# Altium PCB DesignProject_V1_0.PcbDoc (part 1 of 2)
Units mm, origin at the board's own origin, x right, y up, seen from the top; angles counter-clockwise.
Board outline 86.3 x 50.27 mm, 4 copper layers (Top Layer, MID 1, MID 2, Bottom Layer), stack 0.651 mm thick; 110 components, 93 nets, 452 pads, 182 vias.
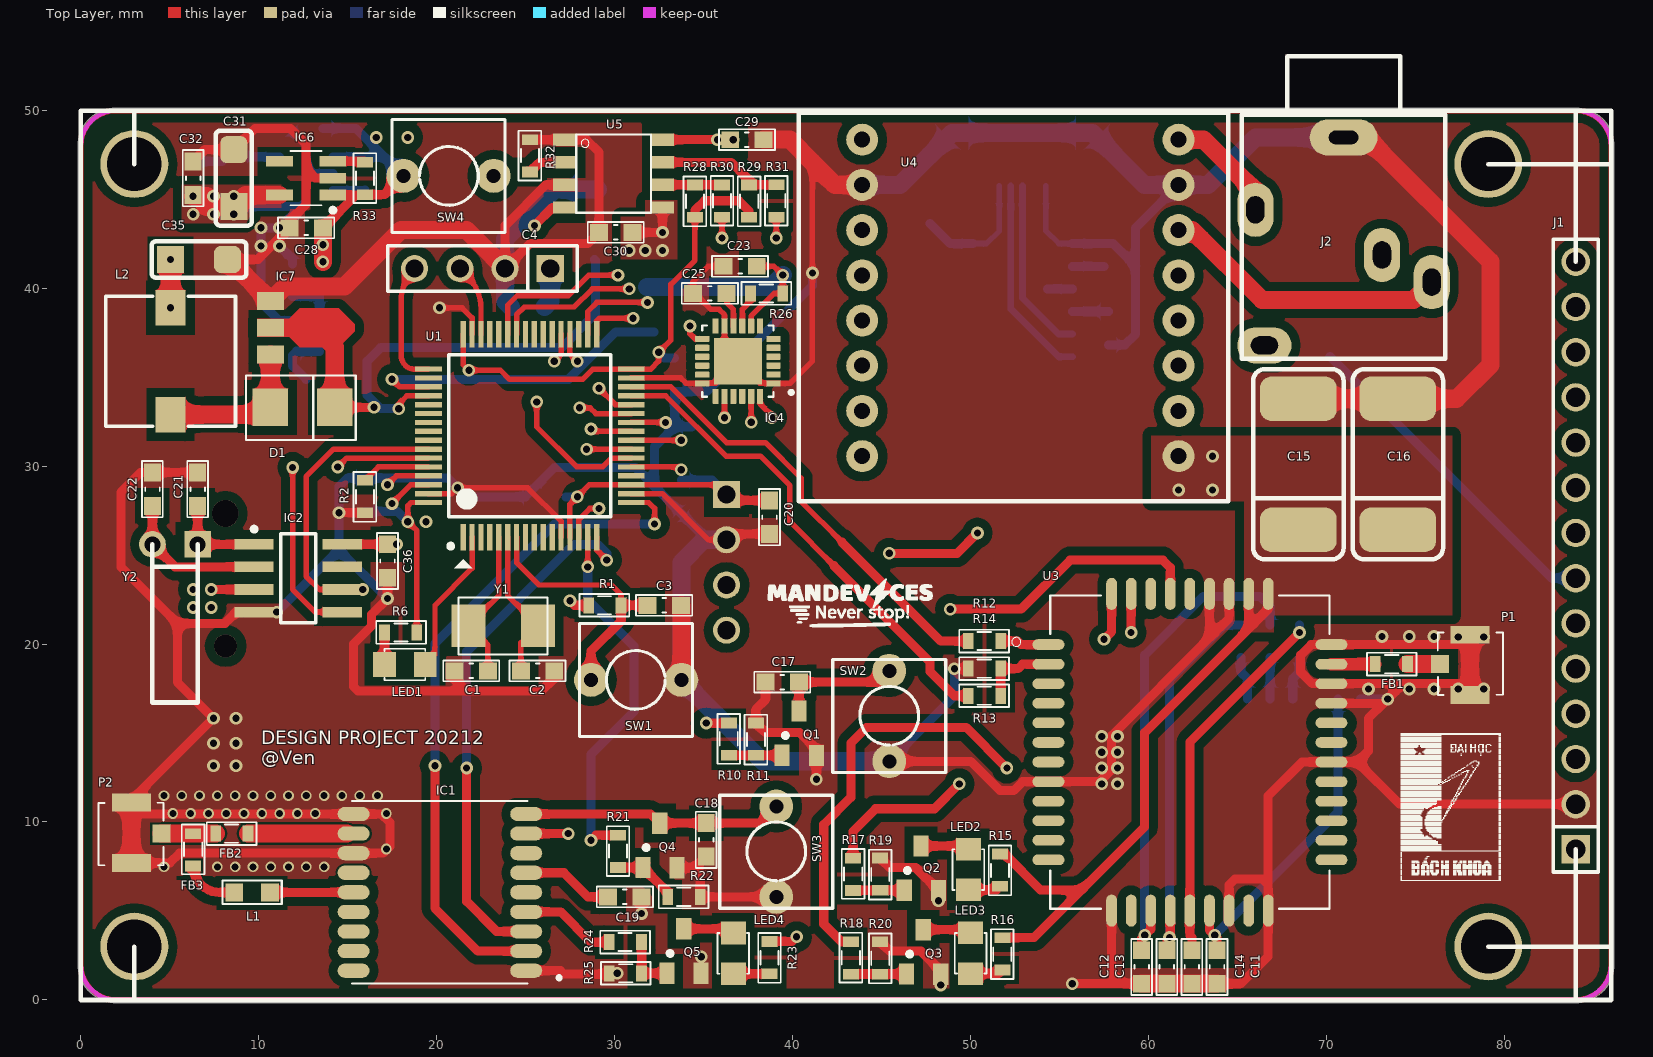
[diagram p0: Top Layer view]
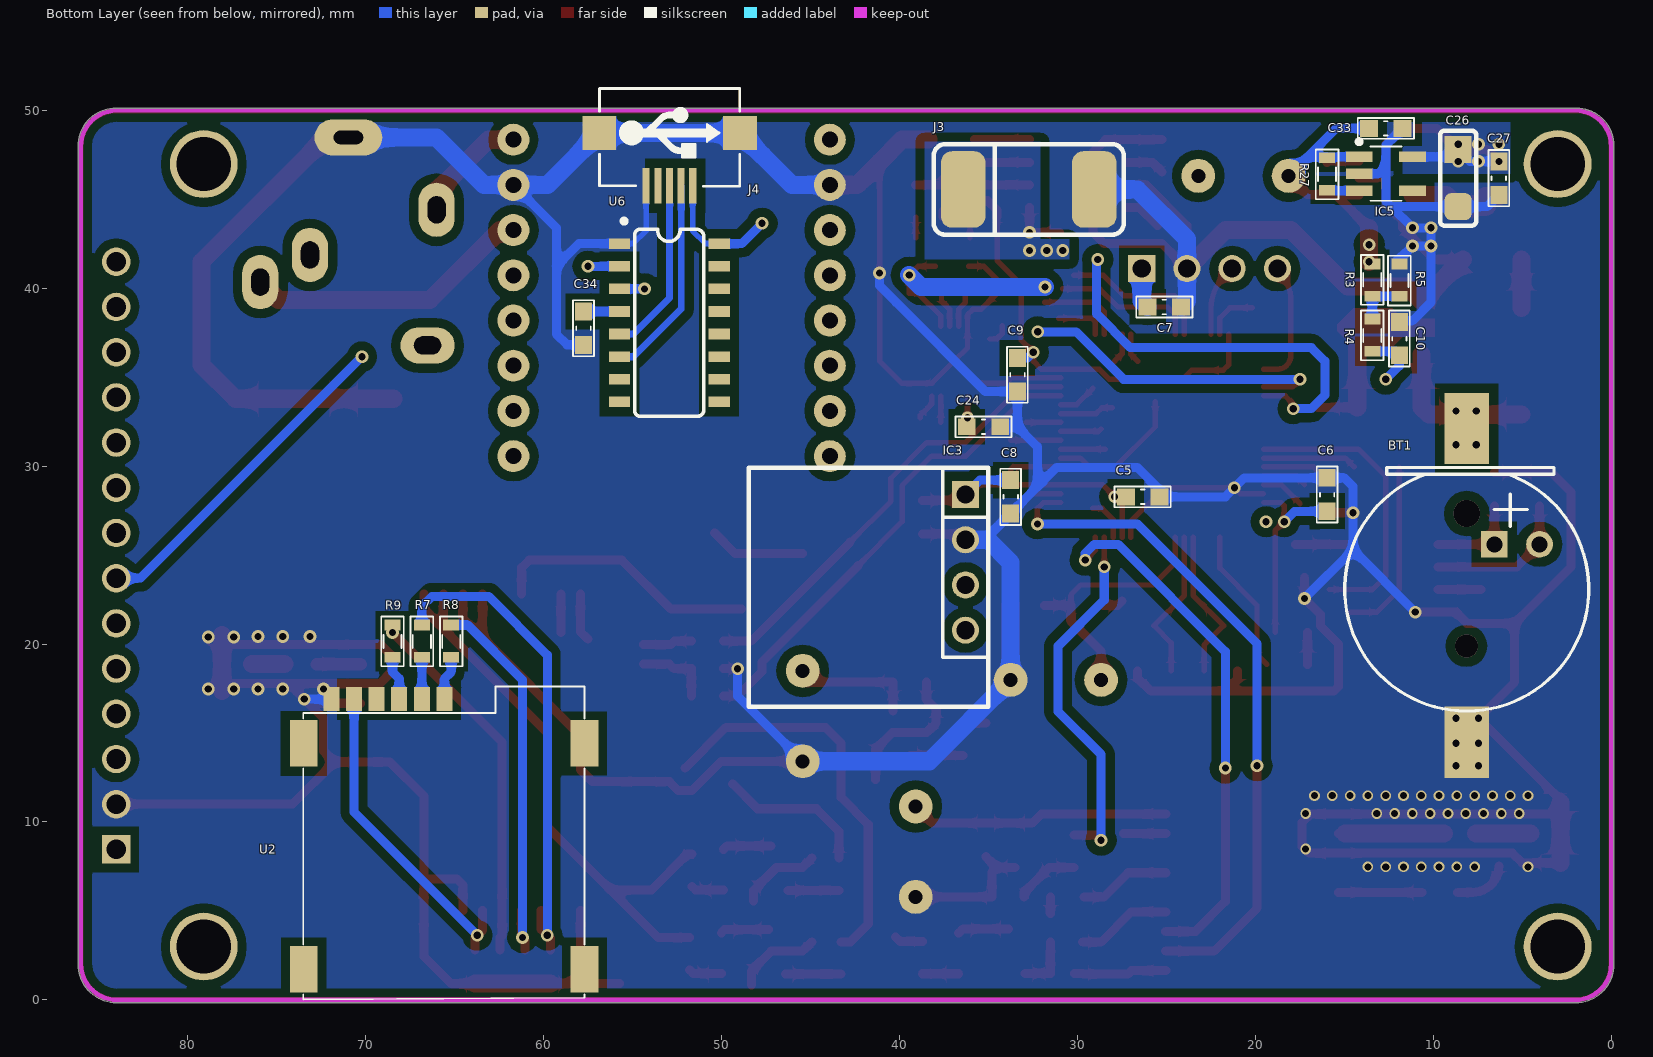
[diagram p1: Bottom Layer view, seen from below]
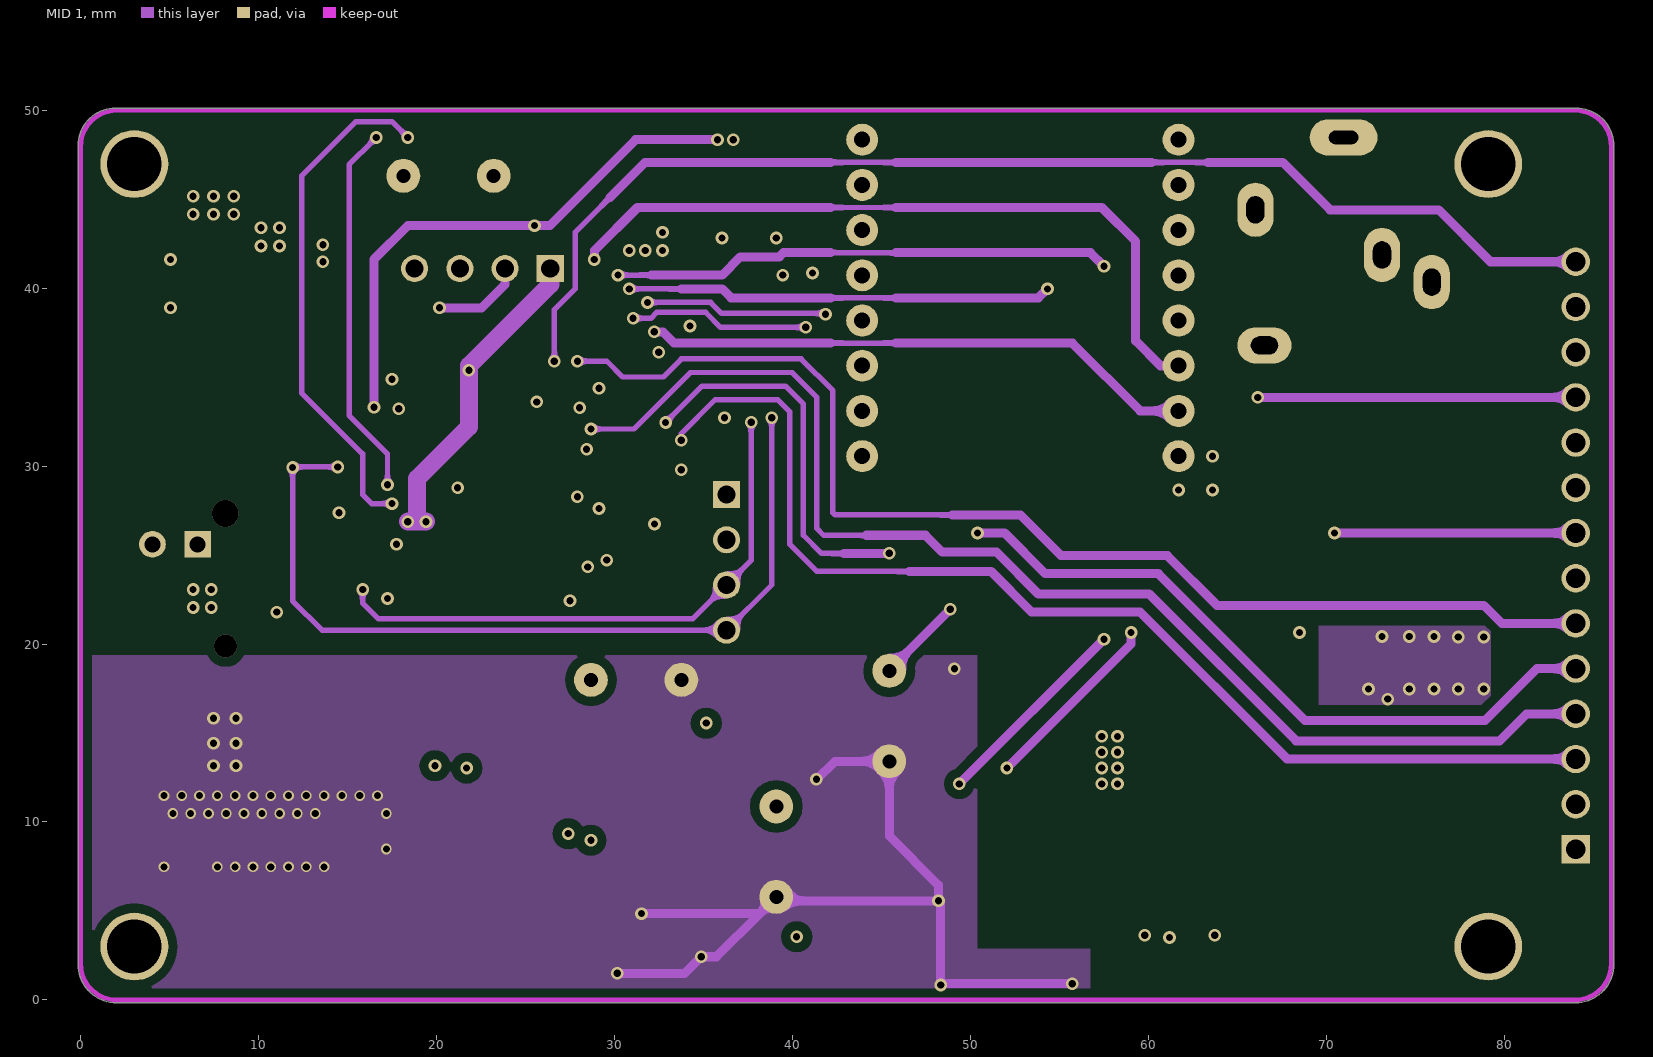
[diagram p2: MID 1]
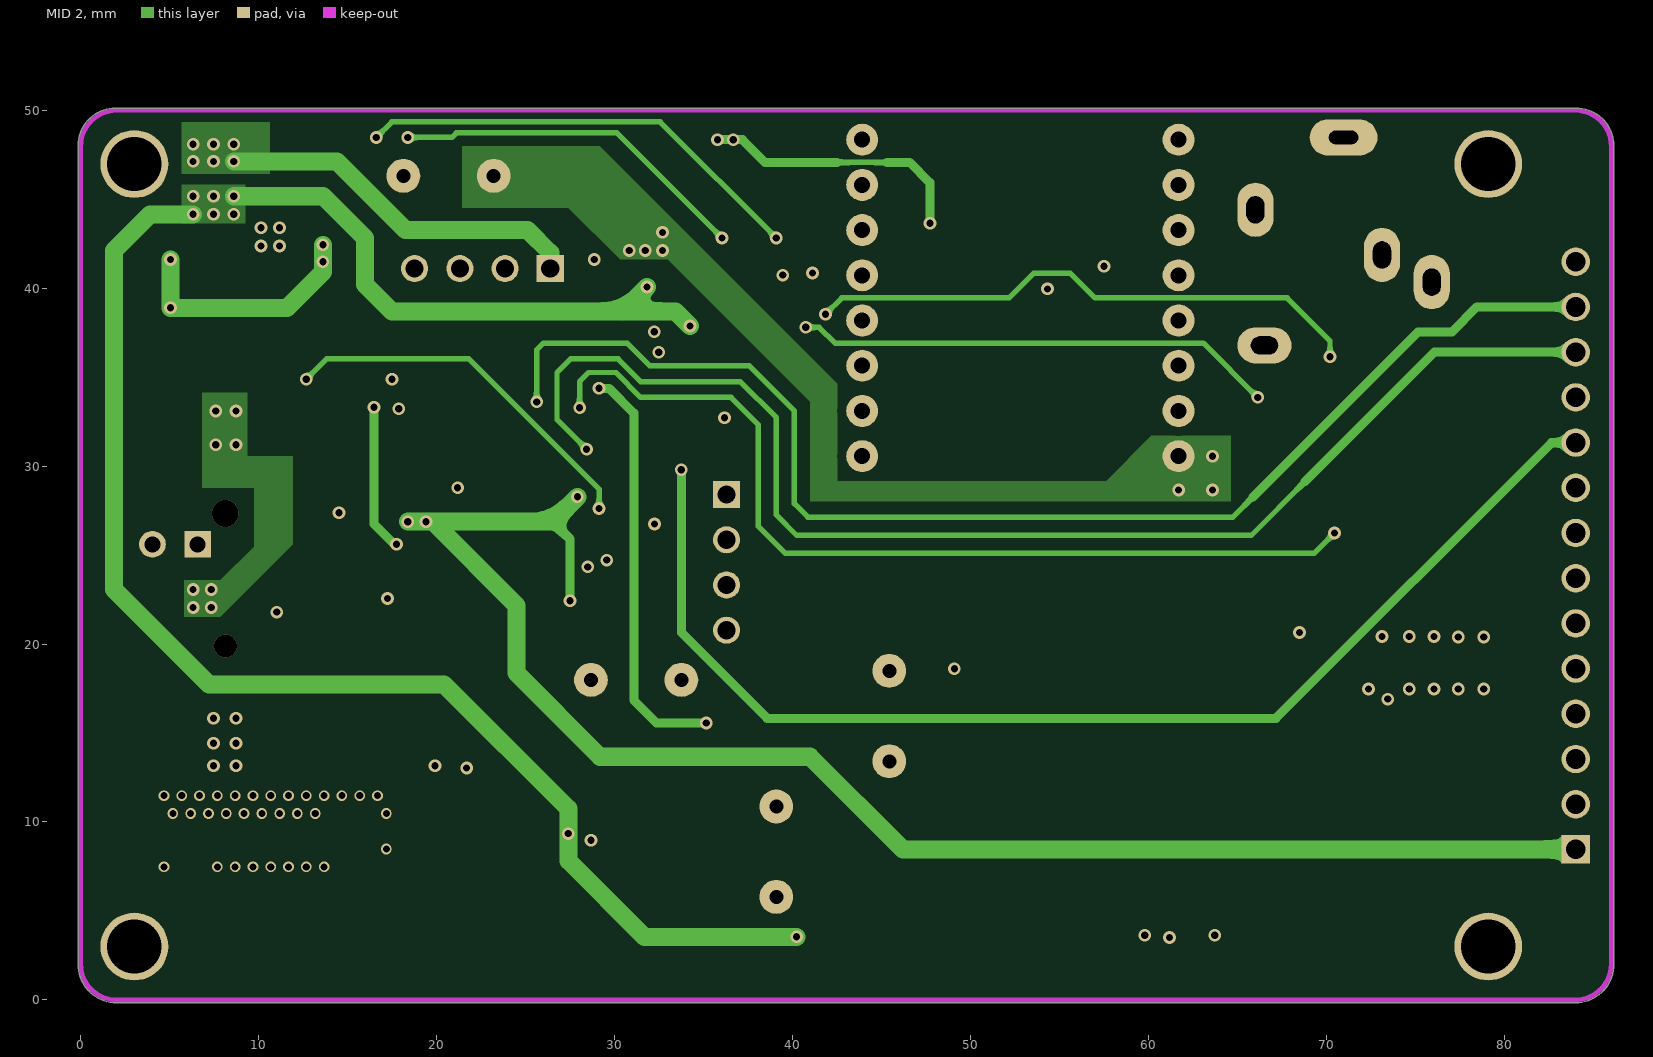
[diagram p3: MID 2]
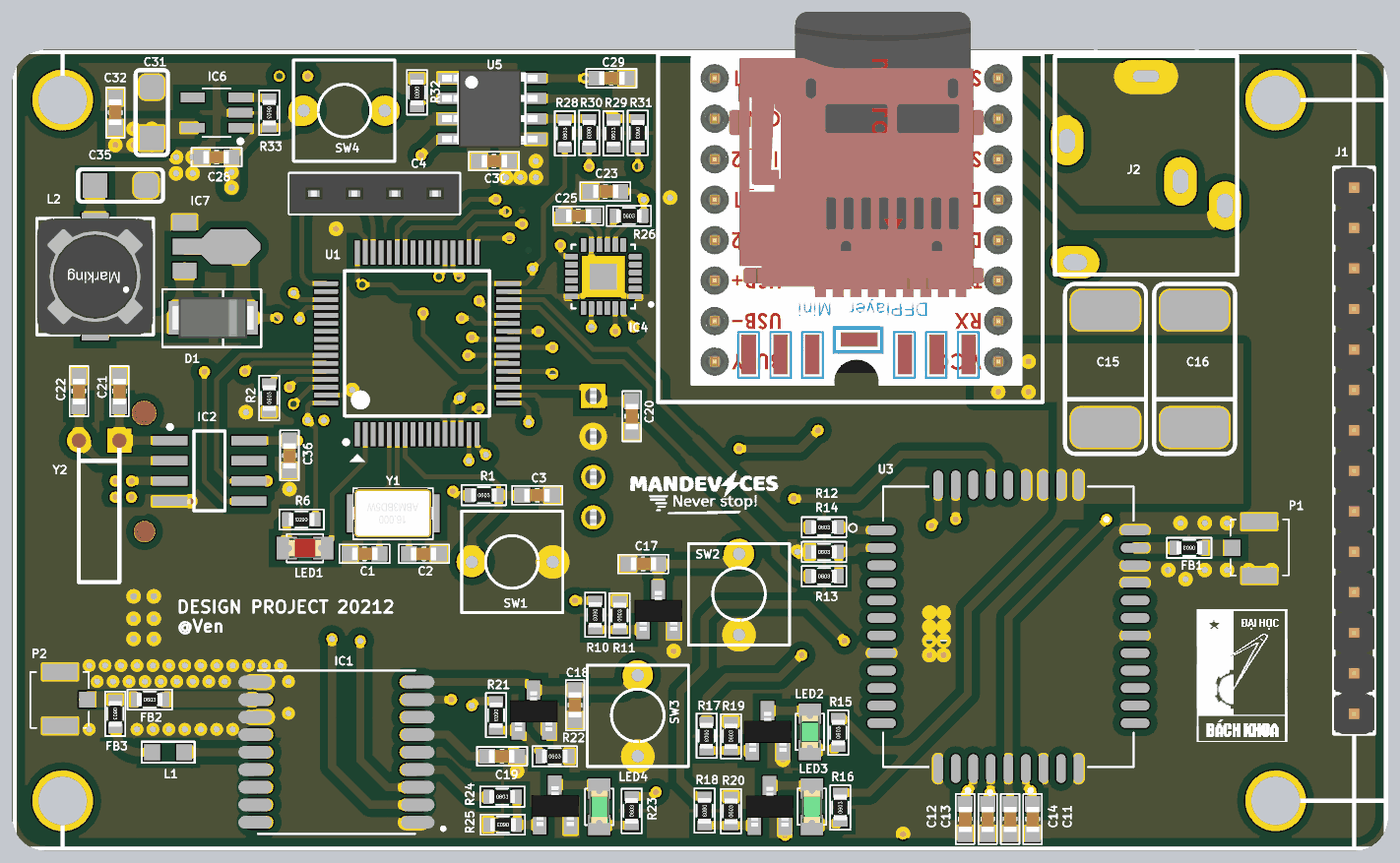
[diagram p5: 3D render of the assembled board from above, using the file's embedded part models]
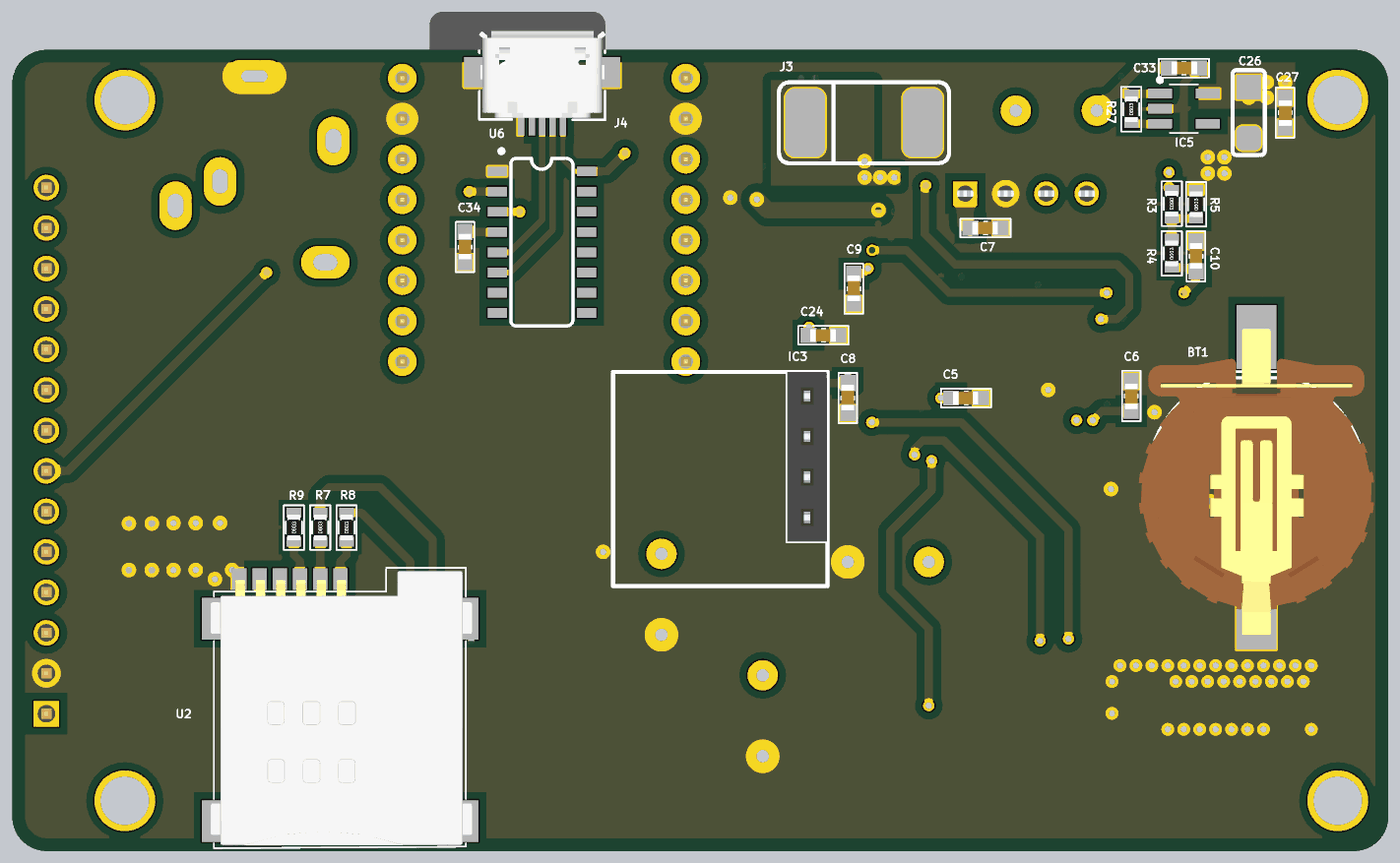
[diagram p6: 3D render of the assembled board from below, using the file's embedded part models]

## Layer stack, top to bottom
Top Solder: solder mask 0.0102, Solder Resist, Dk 3.5
Top Layer: signal copper 0.0356
Dielectric 1: prepreg 0.127, FR-4, Dk 4.2
MID 1: signal copper 0.036
Dielectric 3: core 0.254, FR-4, Dk 4.2
MID 2: signal copper 0.036
Dielectric 2: prepreg 0.127, FR-4, Dk 4.2
Bottom Layer: signal copper 0.0356
Bottom Solder: solder mask 0.0102, Solder Resist, Dk 3.5

## Board outline
-0.14,1.994 -0.14,48.006 cw(c1.968,48.006) 1.968,50.115 84.023,50.115 cw(c84.023,47.981) 86.157,47.981 86.157,2.007 cw(c83.998,2.007) 83.998,-0.153 2.007,-0.153 cw(c2.007,1.994)

## Design rules (kind name [scope] priority, off if disabled: settings)
Clearance Antena [InNamedPolygon('GND_L01_P030')] p1: gap=0.12 ignorepadtopadclearanceinfootprint=TRUE except(0: Arc-Text Arc-Hole Track-Text Track-Hole SMDPad-Text SMDPad-Hole THPad-Text THPad-Hole Via-Text Via-Hole Fill-Text Fill-Hole Poly-Text Poly-Hole Region-Text Region-Hole Text-Text Text-Hole) // Antena rule
Clearance [All] p2: gap=0.508 ignorepadtopadclearanceinfootprint=TRUE except(0: Arc-Text Arc-Hole Track-Text Track-Hole SMDPad-Text SMDPad-Hole THPad-Text THPad-Hole Via-Text Via-Hole Fill-Text Fill-Hole Poly-Text Poly-Hole Region-Text Region-Hole Text-Text Text-Hole; 0.16: Arc-Arc Arc-Track Arc-SMDPad Track-Track Track-SMDPad; 0.2: Arc-THPad Track-THPad; 0.254: Arc-Via Track-Via SMDPad-SMDPad SMDPad-THPad SMDPad-Via THPad-THPad THPad-Via Via-Via)
DiffPairsRouting [All] p1: maxlimit=0.254 minlimit=0.254 mostfreqgap=0.254 toplayer_minwidth=0.381 toplayer_maxwidth=0.381 toplayer_prefwidth=0.381 midlayer1_minwidth=0.381 midlayer1_maxwidth=0.381 midlayer1_prefwidth=0.381 midlayer2_minwidth=0.381 midlayer2_maxwidth=0.381 midlayer2_prefwidth=0.381 bottomlayer_minwidth=0.381 bottomlayer_maxwidth=0.381 bottomlayer_prefwidth=0.381 maxuncoupledlength=12.7
PolygonConnect [All] p1: connectstyle=Direct reliefconductorwidth=0.254 reliefentries=4 polygonreliefangle="90 Angle" airgapwidth=0.254
RoutingVias [All] p1: holewidth=0.406 width=0.711 viastyle="Through Hole" minholewidth=0.381 minwidth=0.508 maxholewidth=0.508 maxwidth=0.762
SolderMaskExpansion [All] p1: expansion=0.102
Width [All] p1: maxlimit=1.016 minlimit=0.305 preferedwidth=0.508
29 further rules are at their usual default settings.

## Classes and differential pairs
component class 07: C26 C27 C28 C29 C30 C31 C32 C33 C34 C35 C36 D1 IC5 IC6 IC7 J3 J4 L2 R27 R28 R29 R30 R31 R32 R33 SW4 U5 U6
component class 06: BT1 C20 C21 C22 C23 C24 C25 IC2 IC3 IC4 R26 Y2
component class 05: J2 U4
component class 04: C18 C19 FB2 FB3 IC1 L1 LED4 P2 Q4 Q5 R21 R22 R23 R24 R25 SW3
component class 03: C11 C12 C13 C14 C15 C16 C17 FB1 LED2 LED3 P1 Q1 Q2 Q3 R7 R8 R9 R10 R11 R12 R13 R14 R15 R16 R17 R18 R19 R20 SW2 U2 U3
component class 02: J1
component class 01: C1 C2 C3 C4 C5 C6 C7 C8 C9 C10 LED1 R1 R2 R3 R4 R5 R6 SW1 U1 Y1
differential pair D: +D_P -D_N

## Components (designator, comment, footprint, x,y, rotation, side; value= is the part's Value field where it differs from the comment)
BT1 "Battery3.3V" "CR1220 SMD" 8.357,23.444 r0 bottom
C1 "22pF" CAP_0603 21.951,18.491 r0 top value=33p
C2 "22pF" CAP_0603 25.679,18.491 r180 top value=33p
C3 "100nF" CAP_0603 32.791,22.174 r180 top value=33p
C4 "JP4" JP4-C1T 26.391,41.097 r180 top
C5 "100nF" CAP_0603 26.34,28.27 r0 bottom value=33p
C6 "100nF" CAP_0603 15.977,28.397 r270 bottom value=33p
C7 "100nF" CAP_0603 25.121,38.938 r0 bottom value=33p
C8 "100nF" CAP_0603 33.757,28.27 r90 bottom value=33p
C9 "100nF" CAP_0603 33.376,35.128 r90 bottom value=33p
C10 "10uF" CAP_0603 11.913,37.16 r90 bottom value=33p
C11 "100nF" CAP_0603 63.856,1.854 r270 top value=33p
C12 "22pF" CAP_0603 59.624,1.854 r270 top value=33p
C13 "22pF" CAP_0603 61.034,1.854 r270 top value=33p
C14 "22pF" CAP_0603 62.445,1.854 r270 top value=33p
C15 "470uF" CAP_7343 68.428,30.226 r90 top
C16 "470uF" CAP_7343 74.016,30.226 r90 top
C17 "100nF" CAP_0603 39.426,17.856 r0 top value=33p
C18 "100nF" CAP_0603 35.154,8.997 r90 top value=33p
C19 "100nF" CAP_0603 30.582,5.791 r180 top value=33p
C20 "100nF" CAP_0603 38.71,27.127 r270 top value=33p
C21 "10pF" CAP_0603 6.579,28.702 r270 top value=33p
C22 "10pF" CAP_0603 4.039,28.702 r270 top value=33p
C23 "100nF" CAP_0603 37.059,41.224 r0 top value=33p
C24 "2.2nF" CAP_0603 35.281,32.207 r0 bottom value=33p
C25 "100nF" CAP_0603 35.357,39.7 r0 top value=33p
C26 "220uF" CAP_TANTALUM_3216 8.611,46.177 r270 bottom
C27 "100nF" CAP_0603 6.325,46.177 r270 bottom value=33p
C28 "470nF" CAP_0603 12.675,43.383 r180 top value=33p
C29 "100nF" CAP_0603 37.44,48.336 r0 top value=33p
C30 "100nF" CAP_0603 30.074,43.129 r0 top value=33p
C31 "220uF" CAP_TANTALUM_3216 8.611,46.177 r90 top
C32 "100nF" CAP_0603 6.325,46.177 r90 top value=33p
C33 "470nF" CAP_0603 12.675,48.971 r180 bottom value=33p
C34 "100nF" CAP_0603 57.76,37.744 r90 bottom value=33p
C35 "220uF" CAP_TANTALUM_3216 6.655,41.605 r0 top
C36 "100nF" CAP_0603 17.247,24.663 r270 top value=33p
D1 "SS14" DO-214AC(SMA) 11.913,33.223 r180 top value=1N5007
FB1 "0R" RES-SMD-0603 73.672,18.869 r180 top
FB2 "0R" RES-SMD-0603 8.484,9.347 r0 top
FB3 "10R" RES-SMD-0603 6.325,8.458 r270 top
IC1 "GPS" L70 20.192,6.047 r180 top
IC2 "DS1307Z" SOIC-8 12.229,23.698 r0 top
IC3 "MAX30102" JP4-C1T 36.297,28.397 r270 bottom
IC4 "MPU6050" QFN24 36.932,35.89 r180 top
IC5 "RT9013" SOT23-5 12.675,46.425 r180 bottom
IC6 "RT9013" SOT23-5 12.675,46.177 r180 top
IC7 "Power IC" SOT-89-3 12.668,37.771 r270 top
J1 "JP14" JP14-D1T 84.016,8.458 r90 top
J2 "Jac Phone2" JAC_PHONE2 70.968,43.129 r0 top
J3 "CAP_TAN_SMD" CAP_7343 32.614,45.542 r180 bottom
J4 "USB-5" USB-M1 52.921,45.749 r180 bottom
L1 "150mH" L-0603 9.677,6.02 r0 top value="150 mH"
L2 "22uH" L-SMD-M-7.3x4.5 5.055,35.89 r0 top value="150 mH"
LED1 "LED" LED-0805-Red 17.079,18.849 r0 top value="LED 3 ly Single Colour"
LED2 "LED" LED-0805-Green 49.886,6.182 r90 top value="LED 3 ly Single Colour"
LED3 "LED" LED-0805-Green 50.013,1.483 r90 top value="LED 3 ly Single Colour"
LED4 "LED" LED-0805-Green 36.678,1.473 r90 top value="LED 3 ly Single Colour"
P1 "Antenna" IPXS 76.794,18.859 r180 top
P2 "Antenna" IPXS 4.132,9.357 r0 top
Q1 "2SC1815" SOT23 40.361,14.986 r0 top value=C1815
Q2 "2SC1815" SOT23 47.219,7.401 r0 top value=C1815
Q3 "2SC1815" SOT23 47.346,2.702 r0 top value=C1815
Q4 "2SC1815" SOT23 32.537,8.687 r0 top value=C1815
Q5 "2SC1815" SOT23 33.884,2.743 r0 top value=C1815
R1 "10k" RES-SMD-0603 29.439,22.174 r0 top
R2 "100k" RES-SMD-0603 15.977,28.27 r90 top
R3 "20k" RES-SMD-0603 13.437,40.462 r270 bottom
R4 "100R" RES-SMD-0603 13.437,37.339 r90 bottom
R5 "47k" RES-SMD-0603 11.913,40.424 r90 bottom
R6 "1k" RES-SMD-0603 18.005,20.65 r180 top
R7 "51R" RES-SMD-0603 66.842,20.142 r90 bottom
R8 "51R" RES-SMD-0603 65.191,20.142 r90 bottom
R9 "51R" RES-SMD-0603 68.493,20.142 r90 bottom
R10 "4k7" RES-SMD-0603 36.423,14.668 r270 top
R11 "47k" RES-SMD-0603 37.948,14.63 r90 top
R12 "1k" RES-SMD-0603 50.775,20.165 r0 top
R13 "1k" RES-SMD-0603 50.775,17.091 r0 top
R14 "5k6" RES-SMD-0603 50.775,18.615 r0 top
R15 "1k" RES-SMD-0603 51.664,7.274 r90 top
R16 "1k" RES-SMD-0603 51.791,2.575 r90 top
R17 "4k7" RES-SMD-0603 43.408,7.078 r270 top
R18 "4k7" RES-SMD-0603 43.281,2.379 r270 top
R19 "47k" RES-SMD-0603 44.933,7.046 r90 top
R20 "47k" RES-SMD-0603 44.932,2.341 r90 top
R21 "4k7" RES-SMD-0603 30.2,8.369 r270 top
R22 "47k" RES-SMD-0603 33.884,5.791 r0 top
R23 "1k" RES-SMD-0603 38.71,2.362 r90 top
R24 "4k7" RES-SMD-0603 30.595,3.251 r0 top
R25 "47k" RES-SMD-0603 30.632,1.499 r180 top
R26 "10k" RES-SMD-0603 38.532,39.7 r0 top
R27 "10k" RES-SMD-0603 15.976,46.393 r90 bottom
R28 "100k" RES-SMD-0603 34.519,44.869 r90 top
R29 "100k" RES-SMD-0603 37.567,44.869 r90 top
R30 "1k" RES-SMD-0603 36.043,44.907 r270 top
R31 "1k" RES-SMD-0603 39.091,44.907 r270 top
R32 "1k2" RES-SMD-0603 25.248,47.447 r270 top
R33 "10k" RES-SMD-0603 15.977,46.177 r270 top
SW1 "SW" SW2 28.677,17.983 r0 top value="SW chip 2 pin"
SW2 "SW" SW2 45.441,18.491 r270 top value="SW chip 2 pin"
SW3 "SW" SW2 39.091,10.871 r270 top value="SW chip 2 pin"
SW4 "SW" SW2 23.216,46.304 r180 top value="SW chip 2 pin"
U1 "STM32" QFP50P1200X1200X160-64N 25.248,31.699 r90 top
U2 "SIM-KF016" "Sim Socket" 65.507,9.22 r180 bottom value="Sim holder"
U3 "SIM800" SIM800C 62.332,13.919 r0 top
U4 "DFPlayer" DFPlayer 53.061,39.446 r180 top
U5 "TP4056" TP4056 29.947,46.431 r0 top
U6 "CH340C" SO016 52.937,38.049 r270 bottom
Y1 "8MHz" "XTAL 5032 SMD" 23.724,21.031 r180 top
Y2 "32.768KHz" XTAL32K 6.579,25.603 r180 top

## Footprints (in the part's own frame and the unit in brackets; to place one, negate y for a bottom-side part, rotate by r counter-clockwise, add the part's x,y. Pads: shape width x height; smd on the part's side, far side on the other; paste and mask are expansions set on the pad)
CAP_0603 [mm]
  rect 1x0.95 smd mask+0.076: 1(-0.94,0) 2(0.94,0)
  silkscreen extent -1.57,-0.58 1.57,0.58, body extent -0.77,-0.39 0.83,0.41, height 0.9
CAP_7343 [mm] "Capacitor Tantalum 7343"
  rrect50% 2.5x4.3 smd: 1(-3.81,0) 2(3.556,0)
  silkscreen extent -5.46,-2.54 5.21,2.54, body extent -3.81,-2.29 3.56,2.29, height 3
CAP_TANTALUM_3216 [mil]
  rect 60x60 smd: 1(-62.99,0)
  rrect50% 60x60 smd: 2(62.99,0)
  silkscreen extent -105,-40 105,40, body extent -67,-35 67,35, height 67
"CR1220 SMD" [mm] "CR1220 SMD"
  rect 2.5x4 smd: 1(-0.229,-8.661) 2(-0.229,8.966)
  silkscreen extent -7.08,-6.48 6.63,7.21, body extent -7.6,-9.18 7.15,10.02, height 4.55
DFPlayer [mm] "DFPlayer"
  round 1.8 hole 0.9: 1(-8.636,8.89) 2(-8.636,6.35) 3(-8.636,3.81) 4(-8.636,1.27) 5(-8.636,-1.27) 6(-8.636,-3.81) 7(-8.636,-6.35) 8(-8.636,-8.89) 9(9.144,-8.89) 10(9.144,-6.35) 11(9.144,-3.81) 12(9.144,-1.27) 13(9.144,1.27) 14(9.144,3.81) 15(9.144,6.35) 16(9.144,8.89)
  silkscreen extent -11.43,-10.41 12.7,11.43, body extent -10.15,-13.06 10.65,10.4, height 6
DO-214AC(SMA) [mm] "DO-214AC Diode Smallest Size"
  rect 2x2.1 smd: 1(1.245,-0.076) 2(-2.367,-0.076)
  silkscreen extent -3.56,-1.86 2.62,1.76, body extent -3.13,-1.38 2.07,1.22, height 2.4
IPXS [mm] "SOT 23 _ 1-3-2"
  rect 1x1 smd: 1(0.415,-0.01)
  rect 2.2x1 smd: 2(-1.273,-1.658) 3(-1.278,1.73)
  silkscreen extent -3.13,-1.79 0.53,1.73, body extent -2.83,-1.49 0.31,1.56, height 1.55
JAC_PHONE2 [mil] "Jac Phone Stereo"
  oval 80x120 hole 40 slot 60 at 90 deg: 1(-195,50) 3(85,-50) 4(195,-110)
  oval 120x80 hole 40 slot 60 at 0 deg: 2(-175,-250)
  oval 150x80 hole 30 slot 65 at 0 deg: 5(0,210)
  silkscreen extent -225,-280 225,390
JP4-C1T [mm] "4 row, straight, gold plating"
  rect 1.52x1.52 hole 1.02: 1(0,0)
  round 1.52 hole 1.02: 2(2.54,0) 3(5.08,0) 4(7.62,0)
  silkscreen extent -1.52,-1.27 9.14,1.27, body extent -1.52,-1.25 9.14,1.25, height 8.51
JP14-D1T [mm] "14 pins, 1 row, straight, gold plating"
  rect 1.6x1.6 hole 1.1: 1(0,0)
  round 1.6 hole 1.1: 2(2.54,0) 3(5.08,0) 4(7.62,0) 5(10.16,0) 6(12.7,0) 7(15.24,0) 8(17.78,0) 9(20.32,0) 10(22.86,0) 11(25.4,0) 12(27.94,0) 13(30.48,0) 14(33.02,0)
  silkscreen extent -1.27,-1.27 34.29,1.27, body extent -1.27,-1.27 34.29,1.27, height 8.54
L70 [mm]
  oval 1.8x0.8 smd paste-2: 1(-4.85,4.4) 2(-4.85,3.3) 3(-4.85,2.2) 4(-4.85,1.1) 5(-4.85,0) 6(-4.85,-1.1) 7(-4.85,-2.2) 8(-4.85,-3.3) 9(-4.85,-4.4) 10(4.85,-4.4) 11(4.85,-3.3) 12(4.85,-2.2) 13(4.85,-1.1) 14(4.85,0) 15(4.85,1.1) 16(4.85,2.2) 17(4.85,3.3) 18(4.85,4.4)
  silkscreen extent -6.8,-5.13 4.92,5.13
L-0603 [mm] "Chip Capacitor; Body 1.6 x 0.8 mm (LxW typ)"
  rect 1x1 smd: 1(-1.041,0.025) 2(0.965,0.025)
  silkscreen extent -1.7,-0.64 1.63,0.69, body extent -0.83,-0.38 0.78,0.43, height 0.51
L-SMD-M-7.3x4.5 [mm] "WE-PDA SMD Shielded Power Inductor, 7345"
  rect 1.7x2 smd: 1(0,3) 2(0,-3)
  silkscreen extent -3.65,-3.65 3.65,3.65, body extent -3.65,-3.65 3.65,3.65, height 4.05
LED-0805-Green [mil]
  rect 50x55 smd: 1(0,0) 2(90,0)
  silkscreen extent 0,-35 90,35, body extent 5,-25 85,25, height 43
LED-0805-Red [mil]
  rect 50x55 smd: 1(0,0) 2(90,0)
  silkscreen extent 0,-35 90,35, body extent 5,-25 85,25, height 43
QFN24 [mm]
  rrect25% 0.8x0.35 smd: 1(-2,1.25) 2(-2,0.75) 3(-2,0.25) 4(-2,-0.25) 5(-2,-0.75) 6(-2,-1.25) 13(2,-1.25) 14(2,-0.75) 15(2,-0.25) 16(2,0.25) 17(2,0.75) 18(2,1.25)
  rrect25% 0.35x0.85 smd: 7(-1.25,-1.975) 8(-0.75,-1.975) 9(-0.25,-1.975) 10(0.25,-1.975) 11(0.75,-1.975) 12(1.25,-1.975) 19(1.25,1.975) 20(0.75,1.975) 21(0.25,1.975) 22(-0.25,1.975) 23(-0.75,1.975) 24(-1.25,1.975)
  rect 2.7x2.6 smd paste-2: 25(0,0)
  silkscreen extent -3.1,-2 2,2
QFP50P1200X1200X160-64N [mm] "QFP,0.50mm pitch,square;16 pin X 16 pin,10.00mm X 10.00mm X 1.60mm H body"
  rect 1.5x0.3 smd: 1(-5.7,3.75) 2(-5.7,3.25) 3(-5.7,2.75) 4(-5.7,2.25) 5(-5.7,1.75) 6(-5.7,1.25) 7(-5.7,0.75) 8(-5.7,0.25) 9(-5.7,-0.25) 10(-5.7,-0.75) 11(-5.7,-1.25) 12(-5.7,-1.75) 13(-5.7,-2.25) 14(-5.7,-2.75) 15(-5.7,-3.25) 16(-5.7,-3.75) 33(5.7,-3.75) 34(5.7,-3.25) 35(5.7,-2.75) 36(5.7,-2.25) 37(5.7,-1.75) 38(5.7,-1.25) 39(5.7,-0.75) 40(5.7,-0.25) 41(5.7,0.25) 42(5.7,0.75) 43(5.7,1.25) 44(5.7,1.75) 45(5.7,2.25) 46(5.7,2.75) 47(5.7,3.25) 48(5.7,3.75)
  rect 0.3x1.5 smd: 17(-3.75,-5.7) 18(-3.25,-5.7) 19(-2.75,-5.7) 20(-2.25,-5.7) 21(-1.75,-5.7) 22(-1.25,-5.7) 23(-0.75,-5.7) 24(-0.25,-5.7) 25(0.25,-5.7) 26(0.75,-5.7) 27(1.25,-5.7) 28(1.75,-5.7) 29(2.25,-5.7) 30(2.75,-5.7) 31(3.25,-5.7) 32(3.75,-5.7) 49(3.75,5.7) 50(3.25,5.7) 51(2.75,5.7) 52(2.25,5.7) 53(1.75,5.7) 54(1.25,5.7) 55(0.75,5.7) 56(0.25,5.7) 57(-0.25,5.7) 58(-0.75,5.7) 59(-1.25,5.7) 60(-1.75,5.7) 61(-2.25,5.7) 62(-2.75,5.7) 63(-3.25,5.7) 64(-3.75,5.7)
  silkscreen extent -7.44,-4.55 4.55,4.57
RES-SMD-0603 [mm]
  rect 0.6x0.9 smd: 1(-0.889,0) 2(0.927,0)
  silkscreen extent -1.4,-0.64 1.4,0.64, body extent -0.8,-0.4 0.8,0.4, height 0.43
SIM800C [mm]
  oval 1.8x0.6 smd: 1(-7.95,6.05) 2(-7.95,4.95) 3(-7.95,3.85) 4(-7.95,2.75) 5(-7.95,1.65) 6(-7.95,0.55) 7(-7.95,-0.55) 8(-7.95,-1.65) 9(-7.95,-2.75) 10(-7.95,-3.85) 11(-7.95,-4.95) 12(-7.95,-6.05) 22(7.95,-6.05) 23(7.95,-4.95) 24(7.95,-3.85) 25(7.95,-2.75) 26(7.95,-1.65) 27(7.95,-0.55) 28(7.95,0.55) 29(7.95,1.65) 30(7.95,2.75) 31(7.95,3.85) 32(7.95,4.95) 33(7.95,6.05)
  oval 0.6x1.8 smd: 13(-4.4,-8.9) 14(-3.3,-8.9) 15(-2.2,-8.9) 16(-1.1,-8.9) 17(0,-8.9) 18(1.1,-8.9) 19(2.2,-8.9) 20(3.3,-8.9) 21(4.4,-8.9) 34(4.4,8.9) 35(3.3,8.9) 36(2.2,8.9) 37(1.1,8.9) 38(0,8.9) 39(-1.1,8.9) 40(-2.2,8.9) 41(-3.3,8.9) 42(-4.4,8.9)
  silkscreen extent -10,-8.8 7.85,8.8
"Sim Socket" [mm] "Socket Micro Sim 6P Push"
  rect 0.9x1.35 smd: 1(-5.145,7.685) 2(-2.605,7.685) 3(-0.065,7.685) 5(-6.415,7.685) 6(-3.875,7.685) 7(-1.335,7.685)
  rect 1.56x2.61 smd: ""(-7.975,-7.5) ""(-7.975,5.2) ""(7.805,-7.5) ""(7.805,5.2)
  silkscreen extent -8,-9.2 7.8,8.4, body extent -8.2,-9 8.2,8.2, height 1.35
SO016 [mm]
  rect 0.6x1.2 smd: 1(-4.445,-2.8) 2(-3.175,-2.8) 3(-1.905,-2.8) 4(-0.635,-2.8) 5(0.635,-2.8) 6(1.905,-2.8) 7(3.175,-2.8) 8(4.445,-2.8) 9(4.445,2.8) 10(3.175,2.8) 11(1.905,2.8) 12(0.635,2.8) 13(-0.635,2.8) 14(-1.905,2.8) 15(-3.175,2.8) 16(-4.445,2.8)
  silkscreen extent -5.84,-2.67 5.26,1.95
SOIC-8 [mm] "SOIC, 8-Leads, Body 5,0x4,0mm (max), Pitch 1,27mm, IPC Medium Density"
  rect 2.2x0.6 smd: 1(-2.475,1.905) 2(-2.475,0.635) 3(-2.475,-0.635) 4(-2.475,-1.905) 5(2.475,-1.905) 6(2.475,-0.635) 7(2.475,0.635) 8(2.475,1.905)
  silkscreen extent -2.6,-2.5 0.98,2.88, body extent -3.2,-2.5 3.2,2.5, height 1.75
SOT23 [mm] "SOT 23 _ 1-3-2"
  rect 0.85x1.2 smd: 1(-0.94,-1.245) 2(0.985,-1.25) 3(0.005,1.25)
  silkscreen extent -0.88,-0.25 -0.64,0, body extent -1.47,-1.33 1.53,1.17, height 1.06
SOT23-5 [mm] "SOT23, 5-Leads, Body 3.0x3.0mm (max), Pitch 0.95mm, IPC Medium Density"
  rect 1.5x0.6 smd: 1(-1.5,0.95) 2(-1.5,0) 3(-1.5,-0.95) 4(1.5,-0.95) 5(1.5,0.95)
  silkscreen extent -1.63,-1.52 0.87,1.92, body extent -1.75,-1.52 1.75,1.53, height 1.45
SOT-89-3 [mm]
  rect 1x1.5 smd: 1(-1.5,-2) 3(1.5,-2)
  rect 1x1.5 smd paste-2 mask+0: 2(0,-2)
  Top Layer region: 1.1,1.85 1.1,-0.35 0.5,-0.95 0.5,-2.75 -0.5,-2.75 -0.5,-0.95 -1.1,-0.35 -1.1,1.85 -0.2,2.75 0.2,2.75
SW2 [mil] "SW button 2pin, 250x 250 mil"
  round 75 hole 31: 1(0,0) 2(200,0)
  silkscreen extent -25,-125 225,125
TP4056 [mm]
  rect 1.3x0.7 smd: 1(-2.75,1.905) 2(-2.75,0.635) 3(-2.75,-0.635) 4(-2.75,-1.905) 5(2.75,-1.905) 6(2.75,-0.635) 7(2.75,0.635) 8(2.75,1.905)
  rect 2.3x3.2 on Mech1: GND(-0.025,0)
  silkscreen extent -2.1,-2.2 2.1,2.2, body extent -3.13,-2.45 2.87,2.45, height 1.75
USB-M1 [mm]
  rect 0.4x2 smd: 1(1.3,0) 2(0.65,0) 3(0,0) 4(-0.65,0) 5(-1.321,0)
  rect 1.9x1.9 smd: 5(-3.95,2.968) 5(3.95,2.968)
  silkscreen extent -3.94,-0.03 3.94,5.46, body extent -3.98,0.11 4,5.54, height 2.71
XTAL32K [mm] "Connector; Header; 2 Position"
  rect 1.5x1.5 hole 0.9: 1(0,0)
  round 1.5 hole 0.9: 2(2.54,0)
  silkscreen extent 0,0 2.54,8.89
"XTAL 5032 SMD" [mm] "SMD 5032 XTAL Footprint"
  rect 1.9x2.4 smd: 1(-1.981,0) 2(1.93,0)
  silkscreen extent -2.51,-1.57 2.49,1.63, body extent -2.5,-1.6 2.5,1.6, height 1.31

## Part data
BT1: "Multicell Battery", LatestRevisionDate=17-Jul-2002, LatestRevisionNote="Re-released for DXP Platform.", PackageReference=BAT-2, Published=24-Mar-1999, Publisher="Altium Limited"
C1 C2 C3 C5 C6 C7 C8 C9 C10 C11 C12 C13 C14 C17 C18 C19 C20 C21 C22 C23 C24 C25 C27 C28 C29 C30 C32 C33 C34 C36: library part CapSMD, "Capacitor", LatestRevisionDate=17-Jul-2002, LatestRevisionNote="Re-released for DXP Platform.", PackageReference=RAD-0.3, Published=8-Jun-2000, Publisher="Altium Limited"
C4: "WR-PHD 2.54 mm Angled Socket Header", Manufacturer="Würth Elektronik eiSos GmbH", partNo=613004143121, ComponentLink1 Description=Manufacturer, ComponentLink1URL=http://www.we-online.com, ComponentLink2 Description=Datasheet, ComponentLink2URL=http://katalog.we-online.de/em/datasheet/6130xx143121.pdf, Created by="Karrer Zheng", Created Date="29 March 2013", NoPins=04
C15 C16 C26 C31 C35: library part "Cap Pol", "Polarized Capacitor (Axial)", LatestRevisionDate=17-Jul-2002, LatestRevisionNote="Re-released for DXP Platform.", PackageReference=POLAR0.8, Published=8-Jun-2000, Publisher="Altium Limited"
D1: library part "Diode SMD", Code - JEDEC=DO-214-AB, Published=8-Jun-2000, Publisher="Altium Limited", Revision="July-2002: Re-released for DXP Platform."
FB1 FB2 FB3 R1 R2 R3 R4 R5 R6 R7 R8 R9 R10 R11 R12 R13 R14 R15 R16 R17 R18 R19 R20 R21 R22 R23 R24 R25 R26 R27 R28 R29 R30 R31 R32 R33: library part "Resistor - SMD", "Resistor", Manufacturer="Generic Components", Class=Passive, Published=08/06/2000, Publisher="Altium Hobart Technology Centre"
IC1: library part L70, "Quectel GPS IC"
IC2: "0x68"
IC3: library part JP4, "0x57", Manufacturer="Würth Elektronik eiSos GmbH", partNo=613004143121, ComponentLink1 Description=Manufacturer, ComponentLink1URL=http://www.we-online.com, ComponentLink2 Description=Datasheet, ComponentLink2URL=http://katalog.we-online.de/em/datasheet/6130xx143121.pdf, Created by="Karrer Zheng", Created Date="29 March 2013", NoPins=04
IC4: library part MPU6050_Chip, "3-axis gyroscope, 3-axis accelerometer / 0x69"
IC5 IC6: "RT9013-33GB IC REG LINEAR 3.3V 500mA SOT23-5"
IC7: library part CE8301A, "Boost 5V IC 500mA"
J1: "WR-PHD 2.54 mm Angled Socket Header", Manufacturer="Würth Elektronik eiSos GmbH", partNo=613014143121, ComponentLink1 Description=Manufacturer, ComponentLink1URL=http://www.we-online.com, ComponentLink2 Description=Datasheet, ComponentLink2URL=http://katalog.we-online.de/em/datasheet/6130xx143121.pdf, Created by="Karrer Zheng", Created Date="29 March 2013", NoPins=14
J2: "Jac Phone Stereo", Creat by=VanDungEvn@Gmail.com
J3: "Polazied Tantalum Capacitor"
J4: Manufacturer=FCI, Manufacturer Part Number=10118193-0001LF, Supplier Part Number 1=609-4616-1-ND, .Checked PCB=RF, .Checked SCH=MM, .Creator=MM, Category="Connectors, Interconnects", ComponentLink1Description=http://portal.fciconnect.com/Comergent//fci/drawing/10118193.pdf, ComponentLink1URL=http://portal.fciconnect.com/Comergent//fci/drawing/10118193.pdf, Connector Type="USB - micro B", Features="Shielded, Solder Retention", Gender=Receptacle, Ingress Protection=-, Mounting Type="Surface Mount, Right Angle, Horizontal", Number of Contacts=5, Packaging="Cut Tape (CT)", Pricing 1="1=0.46, 10=0.433, 25=0.3712, 50=0.3156, 100=0.3032, 250=0.27224, 500=0.25988 (USD)", RoHS="RoHS Compliant", Specifications="USB 2.0", Stock 1=28642, Supplier 1=Digi-Key
L1 L2: library part L1, "Inductor"
LED1 LED2 LED3 LED4: "LED Single colour Green and Red"
P1 P2: library part IPXSx66, "Antenna GSM GPS"
Q1 Q2 Q3 Q4 Q5: "NPN 600mW, ECB", =C2383
SW1 SW2 SW3 SW4: library part SW2, "Switch button 2 pin"
U1: library part STM32F103RCT6, "STM32 ARM-based 32-bit MCU 72MHz 256KB"
U2: library part "Sim holder", "SIM Card Holder KF-016"
U3: library part SIM800C, "SIM800C IC"
U5: "Complete single cell Li-Ion battery with a constant current / constant voltage linear charger"
U6: "USB to serial chip CH340", Package=Package, Availability=Unavailable, Check_prices=https://www.snapeda.com/parts/CH340C/WCH/view-part/5428851/?ref=eda, MF=WCH, MP=CH340C, Price=None, SnapEDA_Link=https://www.snapeda.com/parts/CH340C/WCH/view-part/5428851/?ref=snap
Y1: library part XTAL, "Crystal Oscillator", LatestRevisionDate=17-Jul-2002, LatestRevisionNote="Re-released for DXP Platform.", PackageReference=R38, Published=8-Jun-2000, Publisher="Altium Limited"
Y2: library part XTAL/32KHz, "Crystal Oscillator", LatestRevisionDate=17-Jul-2002, LatestRevisionNote="Re-released for DXP Platform.", PackageReference=R38, Published=8-Jun-2000, Publisher="Altium Limited"

## Free pads (board coordinates)
  round 3.81 hole 3.048: 0(3.023,2.997) 0(3.023,46.968) 0(79.096,2.997) 0(79.096,46.968)

## Via types
v1: diameter 0.711, hole 0.406, Top Layer to Bottom Layer, 51 vias
v2: diameter 0.711, hole 0.406, Top Layer to MID 1, 41 vias
v3: diameter 0.711, hole 0.406, Top Layer to MID 2, 34 vias
v4: diameter 0.6, hole 0.4, Top Layer to Bottom Layer, 32 vias
v5: diameter 0.711, hole 0.406, MID 2 to Bottom Layer, 14 vias
v6: diameter 0.711, hole 0.406, MID 1 to Bottom Layer, 4 vias
v7: diameter 0.711, hole 0.406, MID 1 to MID 2, 4 vias
v8: diameter 1.3, hole 1.3, Top Layer to Bottom Layer, 1 vias
v9: diameter 1.5, hole 1.5, Top Layer to Bottom Layer, 1 vias

## Nets (pads, with @x,y where several pads share a name; then routed paths per layer and width w, separated by ;. In a path a pad name is that pad's centre, name@x,y a point inside that pad or via, vN(x,y) a via of type N, cw(c..) or ccw(c..) an arc to the next point about the centre after c; other vN are vias at no path point)
3V3: C4.1 C5.2 C6.2 C7.2 C8.2 C9.2 C20.1 C26.1 C27.1 IC3.1 IC5.5 J1.1 R1.1 R6.1 R28.1 R29.1 U1.13 U1.19 U1.32 U1.48 U1.64 | length 192.7
  Top Layer w0.305: R6.1@18.895,20.65 18.895,26.368 v1(18.39,26.873) 18.39,27.762 18.577,27.949 U1.64@19.548,27.949 ; U1.48@21.498,37.399 21.498,35.703 v2(21.819,35.382) 23.597,35.382 24.105,34.874 28.213,34.874 28.788,35.449 U1.32@30.948,35.449 32.046,35.449 32.487,35.89 v1(32.487,36.398) 33.166,37.077 33.166,40.209 34.519,41.562 R28.1@34.519,43.98 ; U1.13@27.498,25.999 27.498,27.853 v1(27.915,28.27) 28.594,28.949 U1.19@30.948,28.949 35.745,28.949 IC3.1@36.297,28.397
  Top Layer w0.508: v3(27.498,22.428) 27.752,22.174 R1.1@28.55,22.174 ; R28.1@34.519,43.98 34.519,44.362 35.064,44.907 36.983,44.907 37.567,44.323 R29.1@37.567,43.98 ; IC3.1@36.297,28.397 36.627,28.067 C20.1@38.71,28.067
  MID 1 w1.016: v1(18.39,26.873) v1(19.406,26.873) ; 18.898,27.381 18.898,29.286 21.819,32.207 v2(21.819,35.382) 21.819,35.636 26.391,40.208 C4.1@26.391,41.097
  MID 2 w0.508: 26.518,26.873 27.498,25.893 v3(27.498,22.428)
  MID 2 w1.016: v5(8.611,47.117) 14.402,47.117 18.263,43.256 25.121,43.256 26.391,41.986 C4.1@26.391,41.097 ; v1(18.39,26.873) v1(19.406,26.873) 19.787,26.873 ; v1(27.915,28.27) 26.518,26.873 19.787,26.873 ; J1.1@84.016,8.458 46.203,8.458 40.996,13.665 29.185,13.665 24.486,18.364 24.486,22.174 19.787,26.873
  Bottom Layer w0.508: v5(6.325,47.117) v5(7.468,47.117) 7.95,47.117 C26.1@8.611,47.777 9.012,47.375 IC5.5@11.175,47.375 ; C6.2@15.977,27.457 17.805,27.457 v1(18.39,26.873) ; C5.2@27.28,28.27 v1(27.915,28.27) ; v1(32.487,36.398) 32.817,36.068 C9.2@33.376,36.068 ; C8.2@33.757,29.21 35.484,29.21 IC3.1@36.297,28.397
  Bottom Layer w1.016: C7.2@26.06,38.938 26.391,39.268 C4.1@26.391,41.097
  other v5: 6.325,48.082 7.468,48.082 8.611,48.082
3V3-2: C23.2 C31.1 C32.1 IC1.8 IC4.8 IC4.13 IC6.5 R23.2 R26.2 | length 129.4
  Top Layer w0.305: v3(34.239,37.871) 34.239,37.44 34.539,37.14 IC4.13@34.932,37.14 ; IC4.8@37.682,37.865 37.682,38.418 38.964,39.7 R26.2@39.459,39.7 v1(39.459,40.729) 38.964,41.224 C23.2@37.998,41.224
  Top Layer w0.508: IC1.8@25.042,9.347 v3(27.407,9.347) ; R23.2@38.709,3.289 39.974,3.289 v3(40.234,3.548)
  Top Layer w1.016: v3(6.325,45.161) 7.112,45.161 7.341,44.933 6.985,44.577 C31.1@8.611,44.577 9.261,45.227 IC6.5@11.175,45.227
  MID 2 w1.016: v3(6.325,44.145) 3.912,44.145 1.88,42.113 1.88,23.063 7.214,17.729 20.422,17.729 27.407,10.744 v3(27.407,9.347) 27.407,7.823 31.682,3.548 v3(40.234,3.548) ; v3(8.611,45.161) 13.629,45.161 15.977,42.814 15.977,40.208 17.501,38.684 30.455,38.684 ; v5(31.826,40.056) 30.455,38.684 ; v3(34.239,37.871) 33.426,38.684 30.455,38.684
  Bottom Layer w1.016: v5(31.826,40.056) 38.785,40.056 v1(39.459,40.729)
  other v3: 7.468,44.145 8.611,44.145 7.468,45.161
5V: C29.1 C36.1 D1.2 IC2.8 IC7.2 J4.1 U5.4 U5.8 U6.16 | length 79.1
  Top Layer w0.508: D1.2@14.28,33.299 v3(16.485,33.299) ; IC2.8@14.704,25.603 C36.1@17.247,25.603 v3(17.755,25.603) ; v2(25.502,43.51) 26.518,44.526 U5.4@27.197,44.526 ; U5.8@32.697,48.336 v3(35.789,48.336)
  Top Layer w1.016: IC7.2@10.668,37.771 13.159,37.771 13.183,37.795 14.28,36.698 D1.2@14.28,33.299
  MID 1 w0.508: v3(16.485,33.299) 16.485,41.605 18.39,43.51 v2(25.502,43.51) 26.365,43.51 31.191,48.336 v3(35.789,48.336)
  MID 2 w0.305: 42.496,47.066 45.314,47.066
  MID 2 w0.508: v3(16.485,33.299) 16.485,26.746 17.628,25.603 v3(17.755,25.603) ; v3(35.789,48.336) v3(36.678,48.336) 37.186,48.336 38.456,47.066 42.496,47.066 ; 45.314,47.066 46.584,47.066 47.727,45.923 v5(47.727,43.637)
  Bottom Layer w0.305: U6.16@50.137,42.494 50.902,42.494 51.621,43.213 J4.1@51.621,45.749
  Bottom Layer w0.508: v5(47.727,43.637) 48.87,42.494 U6.16@50.137,42.494
ADC1: C10.1 R4.1 U1.14 | length 26.7
  Top Layer w0.305: U1.14@27.998,25.999 27.998,26.997 28.617,27.616 v3(29.134,27.616)
  MID 2 w0.305: v5(12.675,34.874) 13.818,36.017 21.819,36.017 29.134,28.702 v3(29.134,27.616)
  Bottom Layer w0.508: v5(12.675,34.874) 11.913,35.636 C10.1@11.913,36.22 12.142,36.45 R4.1@13.437,36.45
CLK2: J1.7 U1.34 | length 65.9
  Top Layer w0.305: U1.34@28.498,37.399 28.498,38.684 29.006,39.192 v2(31.851,39.192)
  MID 1 w0.305: v2(31.851,39.192) 35.408,39.192 36.017,38.583 41.808,38.583 v7(41.859,38.532)
  MID 2 w0.305: v7(41.859,38.532) 42.774,39.446 52.172,39.446 53.569,40.843 55.601,40.843 56.998,39.446 67.793,39.446 70.206,37.033 v5(70.206,36.144)
  Bottom Layer w0.508: v5(70.206,36.144) 82.652,23.698 J1.7@84.016,23.698
D_N: J4.2 U6.6 | length 11.5
  Bottom Layer w0.381: J4.2@52.271,45.749 52.271,38.82 54.947,36.144 U6.6@55.737,36.144
D_P: J4.3 U6.5 | length 10
  Bottom Layer w0.381: J4.3@52.921,45.749 52.921,39.44 54.947,37.414 U6.5@55.737,37.414
DAC_L: U4.5
DAC_R: U4.4